# KiCad board RASBB.kicad_pcb (continued)
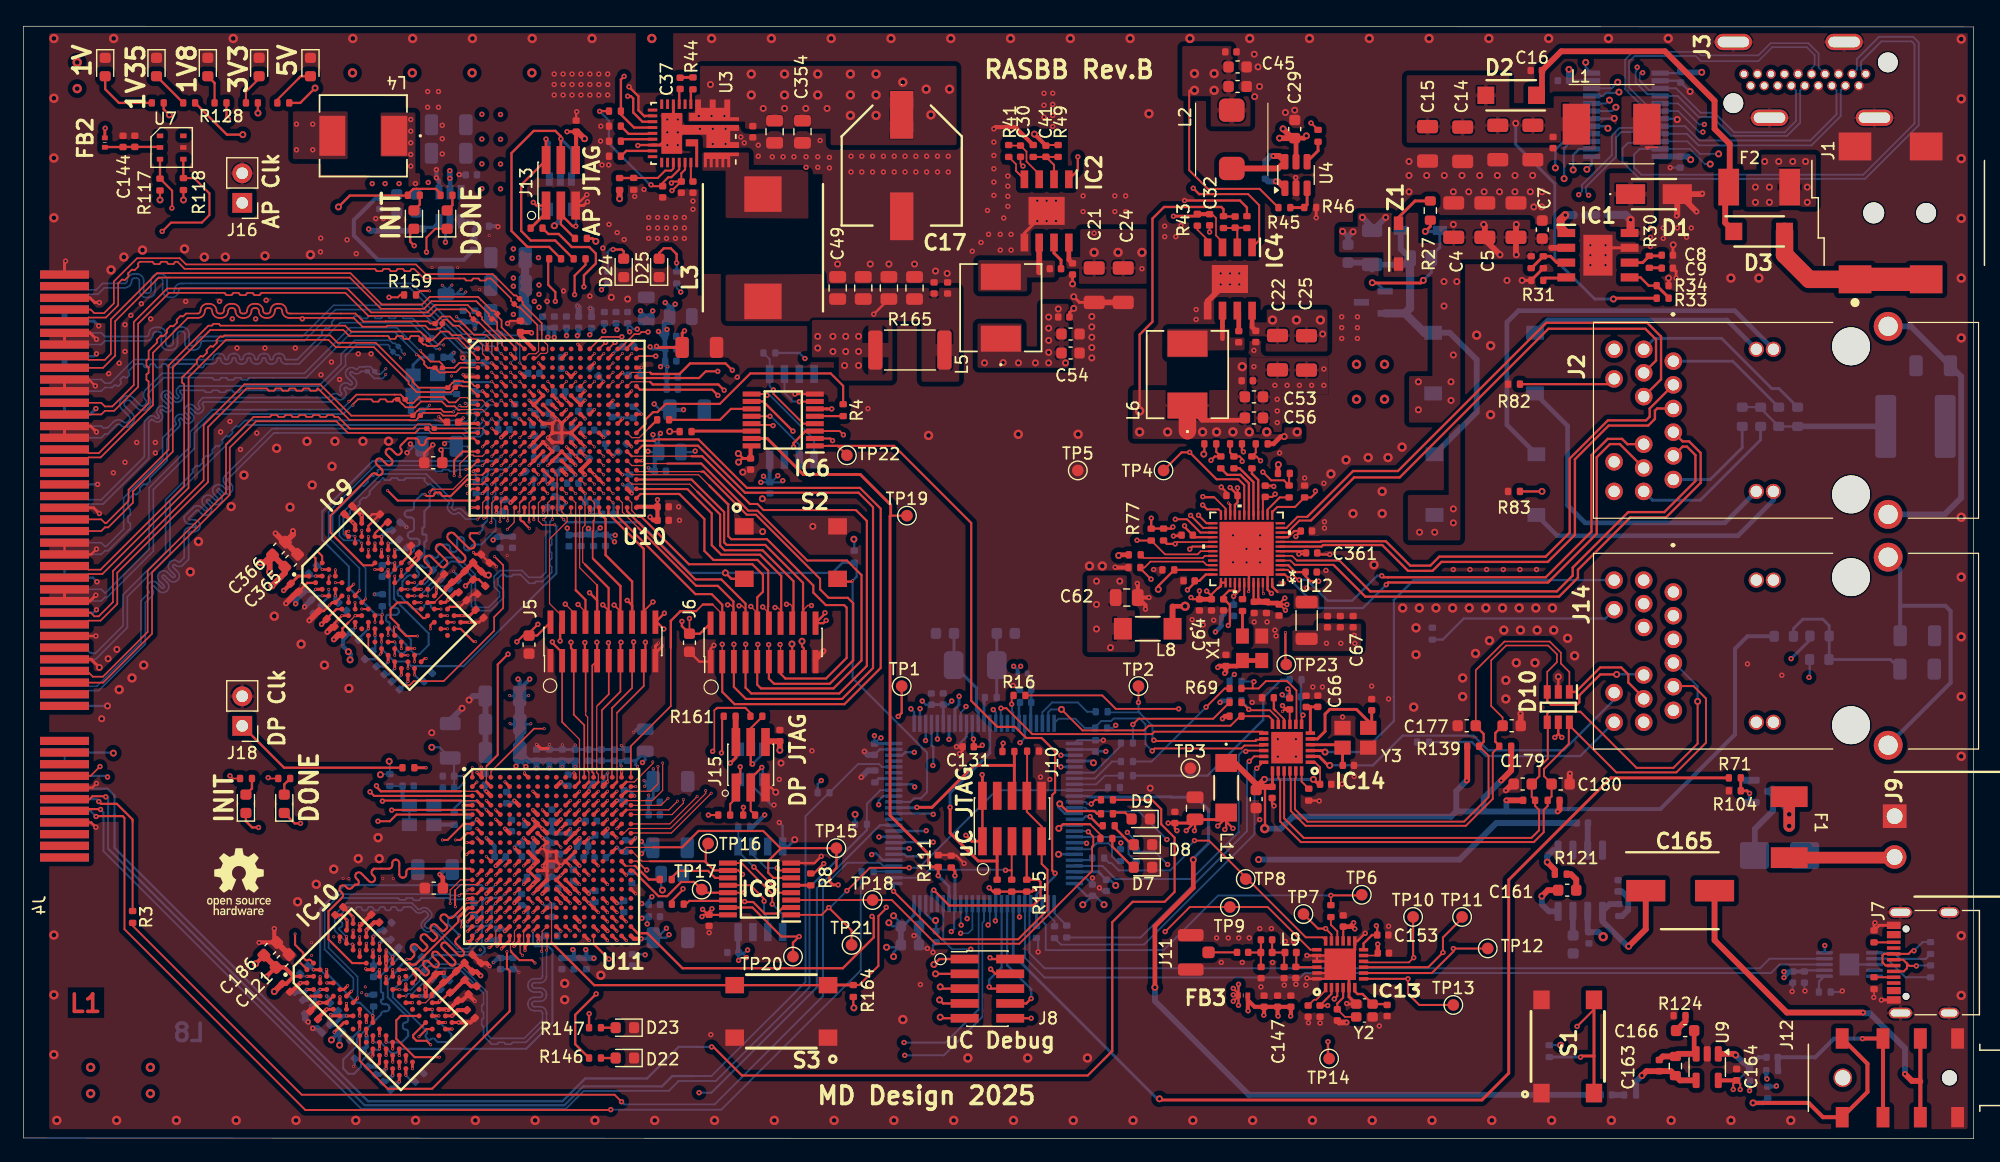
[diagram p0: board, top side]
## Routing (per net, layer and track width the routed paths; a pad name or vN(x,y) marks a point on that pad's centre or on a via; arc(x,y) is an arc through that point) (continued)
  In3.Cu w0.141: v1(145.37,84.47) 145.37,78.47 141.67,74.77 140.92,74.77 139.69,73.55 131.55,73.55 130.55,74.55 126.93,74.55 126.46,75.02 100.51,75.02 95.22,69.72 95.22,66.2 92.32,63.3 67.79,63.3 64.39,66.7 53.89,66.7 53.4,67.19 53.4,67.54 v2(53.19,67.74)
  Bottom w0.141: IC11.22 142.69,85.54 143.77,84.47 v1(145.37,84.47)
  Bottom w0.16: IC11.22 139.25,85.54 139.11,85.4 138.4,85.4 138.38,85.42 137.61,85.42 137.12,84.93 137.12,83.8 138.59,82.33 157.92,82.33 162.52,86.93 162.52,94.03 162.04,94.51 159.11,94.51 157.22,92.62 157.22,91.72 J3.3
/HDMI/HDMI_D2_P: length 156.3
  Top w0.141: U10.B18 52.76,67.13 v4(54.23,67.13)
  In3.Cu w0.141: v1(144.65,83.59) 145.03,83.21 145.03,78.88 141.27,75.12 140.77,75.12 139.55,73.89 131.69,73.89 130.57,75.01 126.85,75.01 126.54,75.32 100.33,75.32 94.87,69.87 94.87,66.34 92.17,63.64 67.85,63.64 64.45,67.04 54.31,67.04 v4(54.23,67.13)
  Bottom w0.141: v1(144.65,83.59) 144.19,83.59 142.9,84.89 IC11.23
  Bottom w0.16: J3.1 157.58,91.72 157.58,92.38 159.32,94.12 161.93,94.12 162.16,93.89 162.16,87.07 157.78,82.69 138.73,82.69 138.12,83.3 138.12,84.42 138.59,84.89 IC11.23
/HDMI/HDMI_HPD_B: length 13.6
  In2.Cu w0.17: v1(136.72,90.62) 146.84,90.62 J3.19
  Bottom w0.17: v1(136.72,90.62) 136.19,90.09 IC11.10
/HDMI/HDMI_SCL_B: length 19.6
  In2.Cu w0.17: v1(136.01,89.08) 136.01,92.16 136.37,92.52 149.27,92.52 149.86,91.93 J3.15
  Bottom w0.17: v1(136.01,89.08) 135.72,88.79 IC11.8
/HDMI/HDMI_SDA_B: length 17.4
  In2.Cu w0.17: J3.16 149.28,89.43 147.53,87.69 145.52,87.69 145.27,87.93 138.66,87.93 v1(136.82,89.77)
  Bottom w0.17: IC11.9 135.46,89.44 135.72,89.71 136.76,89.71 v1(136.82,89.77)
/PCIE/PCIE_CS: length 145.6
  In4.Cu w0.16: 93.47,4.12 98.63,9.28 98.63,25.09 v4(98.06,25.66) ; v4(7.22,31.02) 7.57,31.02 10.82,27.77 10.82,13.02 21.47,2.37
  In4.Cu w0.2: 93.47,4.12 92.15,2.8 56.72,2.8 55.04,4.47 42.54,4.47 40.44,2.37 21.47,2.37
  Bottom w0.16: IC12.37 91.07,28.39 91.38,28.08 95.64,28.08 v4(98.06,25.66)
  Bottom w0.186: J4.A08 7.12,31.12 v4(7.22,31.02)
/PCIE/PCIE_MISO: length 136.8
  Top w0.186: R12.1 96.77,29.07 97.57,28.27 97.57,26.97 98.72,25.82 98.72,21.17 97.87,20.32 95.12,20.32 93.37,18.57 93.37,17.87 ; v4(59.02,7.87) 59.17,7.87 61.62,5.42 91.27,5.42 92.67,6.82
  Top w0.2: 93.37,17.87 93.37,7.52 92.67,6.82
  Bottom w0.186: v4(59.02,7.87) 57.76,7.87 57.75,7.88 56.2,7.88 ; 7.82,27.82 7.82,29.42 7.22,30.02 3.63,30.02
  Bottom w0.2: 7.82,27.82 7.82,24.94 29.56,3.2 46.22,3.2 48.18,5.17 53.49,5.17 56.2,7.88
/PCIE/PCIE_MOSI: length 14.4
  Top w0.16: R3.1 9.37,27.22
  Top w0.186: v4(6.47,28.92) 6.67,28.72 8.02,28.72 9.37,27.37 9.37,27.22
  Bottom w0.186: v4(6.47,28.92) 6.27,29.12 J4.A06
/PCIE/PCIE_SCK: length 98
  Top w0.16: 8.67,27.52 8.67,17.97 24.18,2.46 50.34,2.46 v4(50.37,2.49)
  Top w0.186: 8.67,27.52 8.52,27.67 6.27,27.67 v4(6.24,27.64)
  Bottom w0.16: 71.81,22.91 71.81,14.45 59.85,2.49 v4(50.37,2.49)
  Bottom w0.186: v4(6.24,27.64) 5.75,28.12 J4.A05
/PCIE/RX0_N: length 59.4
  Top w0.1: U10.J2 v2(39.37,61.74)
  Bottom w0.142: 21.62,60.91 37.76,60.91 38.05,60.62 R168.1 38.98,60.62 39.11,60.75 39.11,61.21 39.37,61.47 v2(39.37,61.74) ; 5.28,39.12 5.6,38.81 6.3,38.81 10.08,42.59 10.08,46.13 10.75,46.79 arc(10.78,46.87) 10.75,46.94 arc(10.61,47.28) 10.75,47.62 10.79,47.66 arc(11.13,47.8) 11.47,47.66 11.88,47.25 arc(11.96,47.22) 12.03,47.25 12.07,47.29 arc(12.1,47.36) 12.07,47.44 11.66,47.85 arc(11.52,48.19) 11.66,48.53 11.7,48.57 arc(12.04,48.71) 12.38,48.57 12.79,48.16 arc(12.87,48.13) 12.94,48.16 12.98,48.2 arc(13.01,48.27) 12.98,48.35 12.57,48.76 arc(12.43,49.1) 12.57,49.44 12.61,49.48 arc(12.95,49.62) 13.29,49.48 arc(13.36,49.45) 13.44,49.48 13.79,49.84 13.79,51.95 arc(13.94,52.3) 14.29,52.44 14.66,52.44 arc(14.75,52.48) 14.78,52.56 14.78,52.59 arc(14.75,52.68) 14.66,52.71 14.29,52.71 arc(13.94,52.85) 13.79,53.2 13.79,53.36 14.58,54.15 arc(14.93,54.29) 15.28,54.15 15.54,53.88 arc(15.63,53.84) 15.71,53.88 15.73,53.9 arc(15.77,53.99) 15.73,54.07 15.47,54.34 arc(15.32,54.68) 15.47,55.03 15.49,55.06 arc(15.84,55.2) 16.19,55.06 16.45,54.79 arc(16.54,54.75) 16.62,54.79 16.64,54.81 arc(16.68,54.9) 16.64,54.98 16.38,55.25 arc(16.23,55.59) 16.38,55.94 16.4,55.97 arc(16.75,56.11) 17.1,55.97 17.36,55.7 arc(17.45,55.66) 17.53,55.7 17.55,55.72 arc(17.59,55.81) 17.55,55.89 17.29,56.16 arc(17.14,56.5) 17.29,56.85 21.34,60.91 21.82,60.91
/PCIE/RX0_P: length 60.4
  Top w0.1: U10.J3 v2(40.17,61.74)
  Bottom w0.142: v2(40.17,61.74) 39.41,60.98 39.41,60.78 39.54,60.65 R168.2 39.33,60.41 39.33,60.39 39.16,60.22 37.92,60.22 37.61,60.53 21.62,60.53 ; 5.28,38.12 5.6,38.43 6.46,38.43 10.46,42.43 10.46,45.97 11.01,46.53 arc(11.15,46.87) 11.01,47.21 arc(10.98,47.28) 11.01,47.36 11.05,47.4 arc(11.13,47.43) 11.2,47.4 11.62,46.98 arc(11.96,46.84) 12.3,46.98 12.34,47.02 arc(12.48,47.36) 12.34,47.7 11.92,48.12 arc(11.89,48.19) 11.92,48.27 11.96,48.31 arc(12.04,48.34) 12.11,48.31 12.53,47.89 arc(12.87,47.75) 13.21,47.89 13.25,47.93 arc(13.39,48.27) 13.25,48.61 12.83,49.03 arc(12.8,49.1) 12.83,49.18 12.87,49.22 arc(12.95,49.25) 13.02,49.22 arc(13.36,49.08) 13.7,49.22 14.17,49.68 14.17,51.95 arc(14.2,52.03) 14.29,52.07 14.66,52.07 arc(15.01,52.21) 15.15,52.56 15.15,52.59 arc(15.01,52.94) 14.66,53.08 14.29,53.08 arc(14.2,53.12) 14.17,53.2 14.85,53.88 arc(14.93,53.92) 15.01,53.88 15.28,53.61 arc(15.63,53.47) 15.98,53.61 16,53.64 arc(16.14,53.99) 16,54.33 15.73,54.6 arc(15.7,54.68) 15.73,54.77 15.76,54.79 arc(15.84,54.83) 15.92,54.79 16.19,54.52 arc(16.54,54.38) 16.89,54.52 16.91,54.55 arc(17.05,54.9) 16.91,55.24 16.64,55.51 arc(16.61,55.59) 16.64,55.68 16.67,55.7 arc(16.75,55.74) 16.83,55.7 17.1,55.43 arc(17.45,55.29) 17.8,55.43 17.82,55.46 arc(17.96,55.81) 17.82,56.15 17.55,56.42 arc(17.52,56.5) 17.55,56.59 21.5,60.53 21.82,60.53
/PCIE/RX1_N: length 50.9
  Top w0.1: 34.98,60.52 34.98,60.54 R169.1 33.98,60.92 33.85,60.79
  Top w0.139: U10.K1 37.94,60.54 37.92,60.52 34.98,60.52
  Top w0.142: 33.85,60.79 33.6,60.53 27.84,60.53 26.84,61.53 19.96,61.53 17.7,59.27 17.7,55.23 11.04,48.56 11.04,43.31 6.84,39.12 J4.B14
/PCIE/RX1_P: length 51.2
  Top w0.1: 38.32,60.92 38.34,60.94 39.37,60.94 U10.K2 ; R169.2 34.86,61.3 33.84,61.3 33.59,61.05
  Top w0.139: 35.24,60.8 R169.2 38.32,60.92
  Top w0.142: 5.47,40.12 5.96,39.63 6.82,39.63 10.66,43.47 10.66,48.72 17.38,55.43 17.38,59.55 19.74,61.91 21.13,61.91 arc(21.19,61.93) 21.21,61.99 arc(21.24,62.05) 21.3,62.07 21.73,62.07 arc(21.79,62.05) 21.81,61.99 arc(21.84,61.93) 21.9,61.91 22.33,61.91 arc(22.39,61.93) 22.41,61.99 arc(22.44,62.05) 22.5,62.07 22.93,62.07 arc(22.99,62.05) 23.01,61.99 arc(23.04,61.93) 23.1,61.91 23.53,61.91 arc(23.59,61.93) 23.61,61.99 arc(23.64,62.05) 23.7,62.07 24.13,62.07 arc(24.19,62.05) 24.21,61.99 arc(24.24,61.93) 24.3,61.91 24.73,61.91 arc(24.79,61.93) 24.81,61.99 arc(24.84,62.05) 24.9,62.07 25.33,62.07 arc(25.39,62.05) 25.41,61.99 arc(25.44,61.93) 25.5,61.91 25.93,61.91 arc(25.99,61.93) 26.01,61.99 arc(26.04,62.05) 26.1,62.07 26.53,62.07 arc(26.59,62.05) 26.61,61.99 arc(26.64,61.93) 26.7,61.91 27,61.91 28,60.91 33.44,60.91 33.59,61.05
/PCIE/RX2_N: length 50.6
  Top w0.1: U10.G3 v2(40.17,63.34)
  Bottom w0.1: 39.2,62.63 38.61,62.63 R170.1 38.2,61.7 38.02,61.52 37.82,61.52 37.82,61.52 37.26,61.52 37.17,61.61 ; 39.72,63.17 39.9,63.34 v2(40.17,63.34)
  Bottom w0.142: 37.17,61.61 19,61.61 18.48,61.09 arc(18.41,61.07) 18.35,61.09 arc(18.28,61.12) 18.21,61.09 17.92,60.81 arc(17.89,60.74) 17.92,60.67 arc(17.95,60.6) 17.92,60.53 17.64,60.25 arc(17.57,60.22) 17.5,60.25 arc(17.43,60.27) 17.36,60.25 17.07,59.96 arc(17.04,59.89) 17.07,59.82 arc(17.1,59.75) 17.07,59.68 16.79,59.4 arc(16.72,59.37) 16.65,59.4 arc(16.58,59.43) 16.51,59.4 16.22,59.11 arc(16.2,59.04) 16.22,58.97 arc(16.25,58.9) 16.22,58.83 15.94,58.55 arc(15.87,58.52) 15.8,58.55 arc(15.73,58.58) 15.66,58.55 15.38,58.26 arc(15.35,58.19) 15.38,58.12 arc(15.4,58.06) 15.38,57.99 15.09,57.7 arc(15.02,57.67) 14.95,57.7 arc(14.88,57.73) 14.81,57.7 14.53,57.41 arc(14.5,57.35) 14.53,57.28 arc(14.56,57.21) 14.53,57.14 12.2,54.81 12.2,50.31 8.55,46.66 8.55,44.01 6.17,41.63 5.85,41.63 5.85,41.69 5.71,41.69 5.28,42.12 ; 38.4,62.09 38.4,62.3 ; 39.2,62.63 39.72,63.15 39.72,63.17
/PCIE/RX2_P: length 53.3
  Top w0.1: U10.G4 v2(40.97,63.34)
  Bottom w0.1: 38.32,61.23 37.55,61.23 37.53,61.22 ; 40.03,62.92 40.05,62.94 40.6,62.94 40.97,63.31 v2(40.97,63.34) ; 38.83,61.71 38.84,61.72
  Bottom w0.142: 38.84,61.72 R170.2 39.14,62.22 39.28,62.36 39.46,62.36 40.02,62.92 40.03,62.92 ; 38.34,61.22 38.32,61.23 38.31,61.22 19.11,61.22 12.58,54.69 12.58,50.15 8.93,46.5 8.93,43.85 6.19,41.12 J4.A16 ; 38.34,61.22 37.53,61.22 ; 38.34,61.22 38.83,61.71
/PCIE/RX3_N: length 50
  Top w0.1: v2(37.43,62.88) 37.54,62.78 38.02,62.78 38.18,62.94 U10.G1
  Top w0.142: v2(36.88,62.34) 36.05,62.34 35.81,62.58 33.96,62.58 33.8,62.42 33.78,62.42 33.61,62.25 33.61,62.23 R171.1 28.12,62.02 25.43,64.71 18.96,64.71 15.46,61.21 15.46,56.48 7.68,48.7 7.68,46.03 6.46,44.81 6.09,44.81 5.77,45.12 J4.B20
  Bottom w0.1: v2(37.43,62.88) 37.39,62.88 36.88,62.37 v2(36.88,62.34)
/PCIE/RX3_P: length 49.1
  Top w0.1: 38.89,62.22 38.89,62.22 37.26,62.22 37.03,61.99
  Top w0.142: 5.28,44.12 5.6,44.43 6.62,44.43 8.06,45.87 8.06,48.54 15.84,56.32 15.84,61.05 19.14,64.35 20.87,64.35 arc(20.94,64.32) 20.97,64.25 arc(20.99,64.18) 21.07,64.15 21.47,64.15 arc(21.54,64.18) 21.57,64.25 arc(21.59,64.32) 21.67,64.35 22.07,64.35 arc(22.14,64.32) 22.17,64.25 arc(22.19,64.18) 22.27,64.15 22.67,64.15 arc(22.74,64.18) 22.77,64.25 arc(22.79,64.32) 22.87,64.35 23.27,64.35 arc(23.34,64.32) 23.37,64.25 arc(23.39,64.18) 23.47,64.15 23.87,64.15 arc(23.94,64.18) 23.97,64.25 arc(23.99,64.32) 24.07,64.35 24.47,64.35 arc(24.54,64.32) 24.57,64.25 arc(24.59,64.18) 24.67,64.15 25.07,64.15 arc(25.14,64.18) 25.17,64.25 arc(25.19,64.32) 25.27,64.35 27.97,61.65 33.12,61.65 33.14,61.62 33.66,61.62 33.83,61.79 33.83,61.81 R171.2 34.27,62.25 35.75,62.25 35.99,62.02 37.06,62.02 37.26,62.22
/PCIE/RX4_N: length 48.5
  Top w0.1: U10.G2 39.36,63.35 38.27,63.35 38.05,63.57 37.47,63.57 37.29,63.4
  Top w0.142: 37.29,63.4 37.06,63.16 36.5,63.16 36.05,63.61 33.94,63.61 33.44,63.11 32.94,63.11 32.74,63.31 R172.1 32.53,63.63 32.53,63.65 32.36,63.82 31.84,63.82 31.84,63.82 28.57,63.82 28,63.25 v2(27.92,63.25)
  Bottom w0.142: v2(27.92,63.25) 27.92,63.17 27.28,62.54 16.22,62.54 14.29,60.61 14.29,59.35 10.78,55.84 10.78,50.56 7.03,46.81 7,46.81 6.68,47.12 J4.A22
/PCIE/RX4_P: length 48.8
  Top w0.1: U10.H2 39.37,62.54 37.43,62.54 37.42,62.53 37.36,62.53
  Top w0.142: 37.42,62.53 37.27,62.53 36.98,62.82 36.31,62.82 35.89,63.23 34.1,63.23 33.6,62.73 32.79,62.73 32.5,63.02 32.48,63.02 32.31,63.19 32.31,63.21 R172.2 31.82,63.42 arc(31.75,63.39) 31.72,63.32 arc(31.69,63.25) 31.62,63.22 31.22,63.22 arc(31.15,63.25) 31.12,63.32 arc(31.09,63.39) 31.02,63.42 30.62,63.42 arc(30.55,63.39) 30.52,63.32 arc(30.49,63.25) 30.42,63.22 30.02,63.22 arc(29.95,63.25) 29.92,63.32 arc(29.89,63.39) 29.82,63.42 28.69,63.42 28.26,62.99 v2(28.26,62.91)
  Bottom w0.142: v2(28.26,62.91) 28.18,62.91 27.44,62.16 16.29,62.16 14.67,60.54 14.67,59.19 11.16,55.68 11.16,50.4 7.19,46.43 7,46.43 6.68,46.12 J4.A21
/PCIE/RX5_N: length 50.9
  Top w0.142: 5.28,49.12 5.6,48.81 6.62,48.81 13.79,55.98 13.79,64.69 arc(13.77,64.75) 13.7,64.78 arc(13.64,64.8) 13.61,64.87 13.61,65.29 arc(13.64,65.35) 13.7,65.38 arc(13.77,65.4) 13.79,65.47 14.88,66.55 arc(14.9,66.62) 14.88,66.68 arc(14.85,66.74) 14.88,66.81 15.17,67.1 arc(15.24,67.13) 15.3,67.1 arc(15.37,67.08) 15.43,67.1 15.73,67.4 arc(15.75,67.46) 15.73,67.53 arc(15.7,67.59) 15.73,67.66 16.02,67.95 arc(16.09,67.98) 16.15,67.95 arc(16.21,67.93) 16.28,67.95 16.57,68.25 arc(16.6,68.31) 16.57,68.38 arc(16.55,68.44) 16.57,68.51 16.87,68.8 arc(16.93,68.83) 17,68.8 arc(17.06,68.78) 17.13,68.8 17.22,68.9 26.32,68.9 26.95,68.27 30.22,68.27 33.41,65.08 33.41,64.9 33.88,64.42 R173.1 36.61,64.63 36.61,64.65 36.78,64.82 36.8,64.82 36.96,64.98 37.72,64.98 37.79,64.91 38.33,64.91 38.7,64.54 U10.E1
/PCIE/RX5_P: length 50.3
  Top w0.142: U10.F1 38.18,64.53 37.64,64.53 37.57,64.6 37.11,64.6 37.04,64.53 R173.2 36.83,64.21 36.83,64.19 36.66,64.02 36.14,64.02 36.12,64.05 33.73,64.05 33.03,64.74 33.03,64.92 30.06,67.89 26.79,67.89 26.16,68.52 17.38,68.52 14.17,65.31 14.17,55.82 6.78,48.43 5.6,48.43 5.28,48.12
/PCIE/RX6_N: length 53.4
  Top w0.1: U10.F3 v2(40.17,64.14)
  In4.Cu w0.1: v2(40.17,64.14) 40.17,64.23 39.82,64.58 39.2,64.58 38.4,63.78 37.89,63.78
  In4.Cu w0.141: 37.89,63.78 36.98,63.78 34.79,65.97 31.15,65.97 v2(31.08,66.04)
  Bottom w0.1: v2(31.08,66.04) 31.08,66.03
  Bottom w0.142: J4.A26 6.68,51.12 7,50.81 7.11,50.81 8.6,52.3 8.6,54.97 11.94,58.31 11.94,60.11 13.1,61.27 arc(13.12,61.32) 13.1,61.37 arc(12.98,61.65) 13.1,61.93 13.19,62.02 arc(13.47,62.14) 13.75,62.02 14.08,61.69 arc(14.13,61.67) 14.18,61.69 14.28,61.79 arc(14.3,61.84) 14.28,61.89 13.95,62.22 arc(13.83,62.5) 13.95,62.78 14.04,62.87 arc(14.32,62.99) 14.6,62.87 14.93,62.54 arc(14.98,62.52) 15.03,62.54 15.12,62.63 arc(15.15,62.68) 15.12,62.73 arc(15.01,63.01) 15.12,63.29 15.4,63.57 26.19,63.57 26.4,63.78 arc(26.74,63.92) 27.08,63.78 arc(27.16,63.74) 27.23,63.78 27.27,63.82 arc(27.3,63.89) 27.27,63.97 arc(27.13,64.31) 27.27,64.65 27.31,64.69 arc(27.65,64.83) 27.99,64.69 arc(28.07,64.65) 28.14,64.69 28.18,64.73 arc(28.21,64.8) 28.18,64.88 27.77,65.29 arc(27.63,65.63) 27.77,65.97 27.81,66.01 arc(28.15,66.15) 28.49,66.01 arc(28.56,65.98) 28.64,66.01 28.82,66.19 29.22,66.19 29.24,66.22 29.76,66.22 29.93,66.05 29.93,66.03 R174.1 30.14,65.71 30.26,65.59 30.64,65.59 31.08,66.03
/PCIE/RX6_P: length 55.3
  Top w0.1: U10.F4 v2(40.97,64.14)
  In4.Cu w0.1: v2(40.97,64.14) 40.47,63.64 39.67,63.64 39.48,63.45 37.32,63.45 37.31,63.44
  In4.Cu w0.141: 37.89,63.44 36.84,63.44 34.65,65.63 31.15,65.63 v2(31.08,65.56)
  Bottom w0.142: J4.A25 6.68,50.12 7,50.43 7.27,50.43 8.98,52.14 arc(9.01,52.21) 9.08,52.24 arc(9.15,52.27) 9.18,52.34 9.18,52.74 arc(9.15,52.81) 9.08,52.84 arc(9.01,52.87) 8.98,52.94 8.98,53.34 arc(9.01,53.41) 9.08,53.44 arc(9.15,53.47) 9.18,53.54 9.18,53.94 arc(9.15,54.01) 9.08,54.04 arc(9.01,54.07) 8.98,54.14 8.98,54.81 9.44,55.27 arc(9.51,55.3) 9.58,55.27 arc(9.65,55.24) 9.72,55.27 10,55.55 arc(10.03,55.63) 10,55.7 arc(9.97,55.77) 10,55.84 10.29,56.12 arc(10.36,56.15) 10.43,56.12 arc(10.5,56.09) 10.57,56.12 10.85,56.4 arc(10.88,56.47) 10.85,56.54 arc(10.82,56.62) 10.85,56.69 12.32,58.15 12.32,60.03 13.33,61.04 arc(13.44,61.32) 13.33,61.6 arc(13.31,61.65) 13.33,61.7 13.42,61.79 arc(13.47,61.81) 13.52,61.79 13.85,61.46 arc(14.13,61.35) 14.41,61.46 14.51,61.56 arc(14.62,61.84) 14.51,62.12 14.18,62.45 arc(14.15,62.5) 14.18,62.55 14.27,62.64 arc(14.32,62.66) 14.37,62.64 14.7,62.31 arc(14.98,62.19) 15.26,62.31 15.35,62.4 arc(15.47,62.68) 15.35,62.96 arc(15.33,63.01) 15.35,63.06 15.48,63.19 26.35,63.19 26.67,63.51 arc(26.74,63.54) 26.82,63.51 arc(27.16,63.37) 27.5,63.51 27.54,63.55 arc(27.68,63.89) 27.54,64.23 arc(27.5,64.31) 27.54,64.38 27.58,64.42 arc(27.65,64.45) 27.73,64.42 arc(28.07,64.28) 28.41,64.42 28.45,64.46 arc(28.59,64.8) 28.45,65.14 28.03,65.56 arc(28,65.63) 28.03,65.71 28.07,65.75 arc(28.15,65.78) 28.22,65.75 arc(28.56,65.61) 28.9,65.75 28.97,65.82 R174.2 29.71,65.61 29.71,65.59 29.88,65.42 29.9,65.42 30.11,65.21 30.81,65.21 31.08,65.48 v2(31.08,65.56)
/PCIE/RX7_N: length 49
  Top w0.142: J4.B28 6.68,53.12 7,52.81 7.12,52.81 9.02,54.71 9.02,55.67 12.44,59.09 12.44,66.31 15.87,69.74 16.15,69.74 arc(16.21,69.76) 16.23,69.81 arc(16.25,69.87) 16.31,69.89 16.75,69.89 arc(16.81,69.87) 16.83,69.81 arc(16.85,69.76) 16.91,69.74 27.6,69.74 28.11,69.23 34.03,69.23 34.34,68.92 34.36,68.92 34.53,68.75 34.53,68.73 R175.1 35.08,68.52 35.79,69.23 36.47,69.23 36.78,68.92 37.5,68.92 38.68,67.74 U10.A1
/PCIE/RX7_P: length 49.7
  Top w0.142: J4.B27 6.68,52.12 7,52.43 7.28,52.43 9.4,54.55 9.4,55.51 12.82,58.93 12.82,66.15 16.03,69.36 27.44,69.36 27.95,68.85 31.24,68.85 arc(31.33,68.82) 31.36,68.73 arc(31.4,68.64) 31.49,68.6 31.84,68.6 arc(31.93,68.64) 31.96,68.73 arc(32,68.82) 32.09,68.85 32.44,68.85 arc(32.53,68.82) 32.56,68.73 arc(32.6,68.64) 32.69,68.6 33.04,68.6 arc(33.13,68.64) 33.16,68.73 arc(33.2,68.82) 33.29,68.85 33.88,68.85 34.1,68.63 R175.2 34.1,68.32 34.3,68.12 34.5,68.12 34.63,67.99 35.45,67.99 36.11,68.65 37.26,68.65 U10.B1
/PCIE/RX8_N: length 51.4
  Top w0.1: U10.E5 v2(41.77,64.94)
  In3.Cu w0.1: 37.92,64.87 38.42,64.87 38.8,64.49 41,64.49 41.45,64.94 v2(41.77,64.94)
  In3.Cu w0.141: 37.92,64.87 37.82,64.77 34.53,64.77 v2(32.34,66.95)
  Bottom w0.142: v2(32.34,66.95) 32.34,67.03 32.16,67.21 31.97,67.21 R176.1 31.41,67.77 31.41,67.96 31.27,68.1 28.58,68.1 27.63,67.15 27.63,66.32 25.49,64.18 18.65,64.18 arc(18.59,64.16) 18.57,64.1 arc(18.55,64.04) 18.49,64.02 18.05,64.02 arc(17.99,64.04) 17.97,64.1 arc(17.95,64.16) 17.89,64.18 17.45,64.18 arc(17.39,64.16) 17.37,64.1 arc(17.35,64.04) 17.29,64.02 16.85,64.02 arc(16.79,64.04) 16.77,64.1 arc(16.75,64.16) 16.69,64.18 16.25,64.18 arc(16.19,64.16) 16.17,64.1 arc(16.15,64.04) 16.09,64.02 15.65,64.02 arc(15.59,64.04) 15.57,64.1 arc(15.55,64.16) 15.49,64.18 13.46,64.18 arc(13.42,64.09) 13.46,63.99 13.52,63.94 arc(13.65,63.63) 13.52,63.32 13.5,63.3 arc(13.19,63.17) 12.88,63.3 12.36,63.82 arc(12.27,63.86) 12.17,63.82 12.15,63.8 arc(12.11,63.7) 12.15,63.61 12.67,63.09 arc(12.8,62.78) 12.67,62.47 12.65,62.45 arc(12.34,62.32) 12.03,62.45 11.98,62.51 arc(11.88,62.55) 11.79,62.51 11.77,62.49 arc(11.73,62.39) 11.77,62.3 11.82,62.24 arc(11.95,61.93) 11.82,61.62 11.8,61.6 arc(11.49,61.47) 11.18,61.6 11.13,61.66 arc(11.03,61.7) 10.94,61.66 10.76,61.48 10.76,58.34 6.85,54.43 5.6,54.43 5.28,54.12
/PCIE/RX8_P: length 51.4
  Top w0.1: U10.E6 v2(42.57,64.94)
  In3.Cu w0.1: 37.75,65.09 37.94,65.29 42.22,65.29 v2(42.57,64.94)
  In3.Cu w0.141: 37.75,65.09 34.89,65.09 v2(32.69,67.3)
  Bottom w0.142: 5.28,55.12 5.6,54.81 6.69,54.81 10.38,58.5 10.38,61.53 10.72,61.87 arc(11.03,62) 11.34,61.87 11.4,61.82 arc(11.49,61.78) 11.59,61.82 11.61,61.84 arc(11.65,61.93) 11.61,62.02 11.55,62.08 arc(11.42,62.39) 11.55,62.7 11.57,62.72 arc(11.88,62.85) 12.19,62.72 12.25,62.66 arc(12.34,62.63) 12.44,62.66 12.46,62.69 arc(12.5,62.78) 12.46,62.87 11.94,63.39 arc(11.81,63.7) 11.94,64.01 11.96,64.03 arc(12.27,64.16) 12.58,64.03 13.1,63.51 arc(13.19,63.47) 13.28,63.51 13.31,63.53 arc(13.34,63.63) 13.31,63.72 13.25,63.78 arc(13.12,64.09) 13.25,64.4 13.41,64.56 25.33,64.56 27.25,66.48 27.25,67.31 28.42,68.48 31.43,68.48 31.68,68.23 31.87,68.23 R176.2 32.43,67.67 32.43,67.48 32.61,67.3 v2(32.69,67.3)
/PCIE/RX9_N: length 49.1
  Top w0.1: U10.B2 39.38,67.33 39.38,67.34 39.38,67.34 39.38,68.06 38.86,68.58
  Top w0.142: 5.28,58.12 5.6,58.43 6.63,58.43 11.12,62.92 11.12,67.41 14.11,70.4 14.96,70.4 arc(15.39,70.58) 15.56,71.01 arc(15.63,71.17) 15.8,71.24 15.96,71.24 arc(16.12,71.17) 16.19,71.01 arc(16.37,70.58) 16.8,70.4 16.96,70.4 arc(17.39,70.58) 17.56,71.01 arc(17.63,71.17) 17.8,71.24 17.96,71.24 arc(18.12,71.17) 18.19,71.01 arc(18.37,70.58) 18.8,70.4 18.96,70.4 arc(19.39,70.58) 19.56,71.01 arc(19.63,71.17) 19.8,71.24 19.96,71.24 arc(20.12,71.17) 20.19,71.01 arc(20.37,70.58) 20.8,70.4 20.96,70.4 arc(21.39,70.58) 21.56,71.01 arc(21.63,71.17) 21.8,71.24 21.96,71.24 arc(22.12,71.17) 22.19,71.01 arc(22.37,70.58) 22.8,70.4 28.32,70.4 29.08,69.65 31.14,69.65 31.22,69.73 34.47,69.73 34.78,69.42 35.45,69.42 35.55,69.52 35.74,69.52 35.94,69.72 R177.1 ; 38.86,68.58 38.49,68.58 37.34,69.73 36.84,69.73 36.32,70.25 36.05,70.25 35.94,70.14 R177.1 ; R177.1 35.81,69.79
  vias: v4(23.92,70.32)
/PCIE/RX9_P: length 50.6
  Top w0.1: 39.65,68.96 40.18,68.43 40.18,67.27 40.51,66.94
  Top w0.142: 5.28,59.12 5.6,58.81 6.47,58.81 10.74,63.08 10.74,64.93 arc(10.72,65) 10.65,65.02 arc(10.58,65.05) 10.56,65.12 10.56,65.53 arc(10.58,65.6) 10.65,65.62 arc(10.72,65.65) 10.74,65.72 10.74,66.13 arc(10.72,66.2) 10.65,66.22 arc(10.58,66.25) 10.56,66.32 10.56,66.73 arc(10.58,66.8) 10.65,66.82 arc(10.72,66.85) 10.74,66.92 10.74,67.57 11.46,68.29 arc(11.49,68.35) 11.46,68.42 arc(11.44,68.49) 11.46,68.55 11.76,68.85 arc(11.82,68.87) 11.89,68.85 arc(11.95,68.82) 12.02,68.85 12.31,69.14 arc(12.34,69.2) 12.31,69.27 arc(12.28,69.34) 12.31,69.4 12.6,69.69 arc(12.67,69.72) 12.74,69.69 arc(12.8,69.67) 12.87,69.69 13.16,69.99 arc(13.19,70.05) 13.16,70.12 arc(13.13,70.18) 13.16,70.25 13.45,70.54 arc(13.52,70.57) 13.59,70.54 arc(13.65,70.51) 13.72,70.54 13.95,70.78 14.96,70.78 arc(15.12,70.84) 15.19,71.01 arc(15.37,71.44) 15.8,71.61 15.96,71.61 arc(16.39,71.44) 16.56,71.01 arc(16.63,70.84) 16.8,70.78 16.96,70.78 arc(17.12,70.84) 17.19,71.01 arc(17.37,71.44) 17.8,71.61 17.96,71.61 arc(18.39,71.44) 18.56,71.01 arc(18.63,70.84) 18.8,70.78 18.96,70.78 arc(19.12,70.84) 19.19,71.01 arc(19.37,71.44) 19.8,71.61 19.96,71.61 arc(20.39,71.44) 20.56,71.01 arc(20.63,70.84) 20.8,70.78 20.96,70.78 arc(21.12,70.84) 21.19,71.01 arc(21.37,71.44) 21.8,71.61 21.96,71.61 arc(22.39,71.44) 22.56,71.01 arc(22.63,70.84) 22.8,70.78 28.48,70.78 29.16,70.09 31.06,70.09 31.08,70.11 34.7,70.11 34.88,69.92 R177.2 ; 39.65,68.96 38.65,68.96 37.5,70.11 37,70.11 36.58,70.52 35.88,70.52 35.3,69.94 ; 35.43,69.79 35.43,69.78
/PCIE/RX10_N: length 45.5
  Top w0.1: U10.C1 38.09,66.14
  Top w0.142: v2(33.72,67.24) 33.8,67.24 34.38,66.67 arc(34.4,66.61) 34.38,66.54 arc(34.35,66.48) 34.38,66.42 34.68,66.12 arc(34.74,66.09) 34.8,66.12 arc(34.86,66.15) 34.93,66.12 R178.1 35.51,65.91 35.51,65.89 35.68,65.72 36.2,65.72 36.22,65.75 37.11,65.75 37.5,66.14 38.09,66.14
  Bottom w0.142: v2(33.72,67.24) 33.72,67.32 31.86,69.18 28.17,69.18 24.26,65.27 19.38,65.27 arc(19.32,65.25) 19.29,65.18 arc(19.26,65.12) 19.2,65.09 18.78,65.09 arc(18.72,65.12) 18.69,65.18 arc(18.66,65.25) 18.6,65.27 18.18,65.27 arc(18.12,65.25) 18.09,65.18 arc(18.06,65.12) 18,65.09 17.58,65.09 arc(17.52,65.12) 17.49,65.18 arc(17.46,65.25) 17.4,65.27 16.98,65.27 arc(16.92,65.25) 16.89,65.18 arc(16.86,65.12) 16.8,65.09 16.38,65.09 arc(16.32,65.12) 16.29,65.18 arc(16.26,65.25) 16.2,65.27 12.05,65.27 10.76,63.98 arc(10.68,63.8) 10.76,63.62 arc(10.94,63.18) 10.76,62.74 10.67,62.65 arc(10.23,62.47) 9.78,62.65 9.16,63.28 arc(8.98,63.35) 8.79,63.28 8.72,63.2 arc(8.64,63.02) 8.72,62.83 9.34,62.21 arc(9.52,61.77) 9.34,61.32 9.23,61.21 arc(8.79,61.03) 8.34,61.21 arc(8.17,61.29) 7.99,61.21 7.21,60.43 7,60.43 6.68,60.12 J4.A35
/PCIE/RX10_P: length 45.6
  Top w0.1: 39.77,66.18 39.4,66.55 37.96,66.55
  Top w0.142: 37.96,66.55 37.39,66.55 36.96,66.12 R178.2 35.94,66.4 35.68,66.66 34.92,66.66 34.07,67.51 v2(34.07,67.59)
  Bottom w0.142: J4.A36 6.68,61.12 6.83,60.98 7.22,60.98 7.72,61.48 arc(8.17,61.66) 8.61,61.48 arc(8.79,61.4) 8.97,61.48 9.08,61.59 arc(9.15,61.77) 9.08,61.94 8.45,62.57 arc(8.27,63.02) 8.45,63.46 8.53,63.54 arc(8.98,63.73) 9.42,63.54 10.05,62.92 arc(10.23,62.84) 10.41,62.92 10.49,63 arc(10.56,63.18) 10.49,63.36 arc(10.31,63.8) 10.49,64.25 11.89,65.65 24.1,65.65 28.01,69.56 32.02,69.56 33.99,67.59 v2(34.07,67.59)
/PCIE/RX11_N: length 48.2
  Top w0.1: 40.66,68.11 40.66,67.83
  Top w0.142: J4.B37 6.68,62.12 7,62.43 7.79,62.43 9.85,64.49 9.85,69.9 12.5,72.55 17.23,72.55 arc(17.3,72.52) 17.33,72.45 arc(17.36,72.38) 17.43,72.35 17.83,72.35 arc(17.9,72.38) 17.93,72.45 arc(17.96,72.52) 18.03,72.55 18.43,72.55 arc(18.5,72.52) 18.53,72.45 arc(18.56,72.38) 18.63,72.35 19.03,72.35 arc(19.1,72.38) 19.13,72.45 arc(19.16,72.52) 19.23,72.55 19.63,72.55 arc(19.7,72.52) 19.73,72.45 arc(19.76,72.38) 19.83,72.35 20.23,72.35 arc(20.3,72.38) 20.33,72.45 arc(20.36,72.52) 20.43,72.55 27.61,72.55 29.6,70.57 34.87,70.57 35.43,71.13 37.94,71.13 38.31,70.76 38.31,70.57 R179.1 38.87,70.01 39.06,70.01 40.66,68.41 40.66,68.11
/PCIE/RX11_P: length 48.4
  Top w0.1: 41.04,68.11 41.04,68.07 U10.A4
  Top w0.142: J4.B38 6.68,63.12 7,62.81 7.63,62.81 9.47,64.65 9.47,70.06 12.34,72.93 27.77,72.93 29.82,70.87 34.64,70.87 35.28,71.51 38.1,71.51 38.58,71.03 38.77,71.03 R179.2 39.33,70.47 39.33,70.28 41.04,68.57 41.04,68.11
/PCIE/RX12_N: length 48.4
  Top w0.1: U10.D4 v2(40.97,65.74)
  In4.Cu w0.1: v2(40.97,65.74) 40.6,65.37 40.01,65.37 39.51,65.87 37.67,65.87
  In4.Cu w0.142: v2(35.7,67.73) 35.78,67.73 35.98,67.53 35.98,66.44 36.54,65.88 37.82,65.88
  Bottom w0.142: 35.72,67.73 35.39,67.73 34.8,68.32 34.78,68.32 34.61,68.49 34.61,68.51 R180.1 34.4,68.83 33.25,69.98 27.17,69.98 23.64,66.45 22.5,66.45 arc(22.18,66.58) 22.05,66.9 arc(22.03,66.95) 21.98,66.97 21.86,66.97 arc(21.81,66.95) 21.78,66.9 arc(21.65,66.58) 21.34,66.45 21.21,66.45 arc(20.9,66.58) 20.77,66.9 arc(20.75,66.95) 20.7,66.97 20.57,66.97 arc(20.52,66.95) 20.5,66.9 arc(20.37,66.58) 20.05,66.45 19.93,66.45 arc(19.61,66.58) 19.48,66.9 arc(19.46,66.95) 19.41,66.97 19.28,66.97 arc(19.23,66.95) 19.21,66.9 arc(19.08,66.58) 18.77,66.45 18.64,66.45 arc(18.32,66.58) 18.19,66.9 arc(18.17,66.95) 18.12,66.97 18,66.97 arc(17.95,66.95) 17.92,66.9 arc(17.79,66.58) 17.48,66.45 17.35,66.45 arc(17.04,66.58) 16.91,66.9 arc(16.89,66.95) 16.84,66.97 16.71,66.97 arc(16.66,66.95) 16.64,66.9 arc(16.51,66.58) 16.19,66.45 15.64,66.45 arc(15.53,66.41) 15.49,66.3 arc(15.44,66.2) 15.34,66.15 15.14,66.15 arc(15.03,66.2) 14.99,66.3 arc(14.94,66.41) 14.84,66.45 12.99,66.45 arc(12.88,66.41) 12.84,66.3 arc(12.79,66.2) 12.69,66.15 12.49,66.15 arc(12.38,66.2) 12.34,66.3 arc(12.29,66.41) 12.19,66.45 11.99,66.45 arc(11.88,66.41) 11.84,66.3 arc(11.79,66.2) 11.69,66.15 11.49,66.15 arc(11.38,66.2) 11.34,66.3 arc(11.29,66.41) 11.19,66.45 10.99,66.45 arc(10.88,66.41) 10.84,66.3 arc(10.79,66.2) 10.69,66.15 10.49,66.15 arc(10.38,66.2) 10.34,66.3 arc(10.29,66.41) 10.19,66.45 9.64,66.45 9.06,65.87 arc(9.01,65.77) 9.06,65.66 arc(9.1,65.56) 9.06,65.45 8.92,65.31 arc(8.81,65.26) 8.7,65.31 arc(8.6,65.35) 8.49,65.31 8.35,65.17 arc(8.31,65.06) 8.35,64.95 arc(8.39,64.85) 8.35,64.74 8.21,64.6 arc(8.1,64.56) 8,64.6 arc(7.89,64.64) 7.79,64.6 7.62,64.43 7,64.43 6.68,64.12 J4.A39
